# Altium PCB openmv-ae3.PcbDoc (part 6 of 7)
Units mil, origin at the board's own origin, x right, y up, seen from the top; angles counter-clockwise.
Board outline 1001 x 1001 mil, 8 copper layers (TOP, ART2, GND3, ART4, VCC5, GND6, ART7, BOTTOM), stack 65.6 mil thick; 246 components, 168 nets, 1013 pads, 1766 vias.
Unrouted connection lines stored in the file: 233.
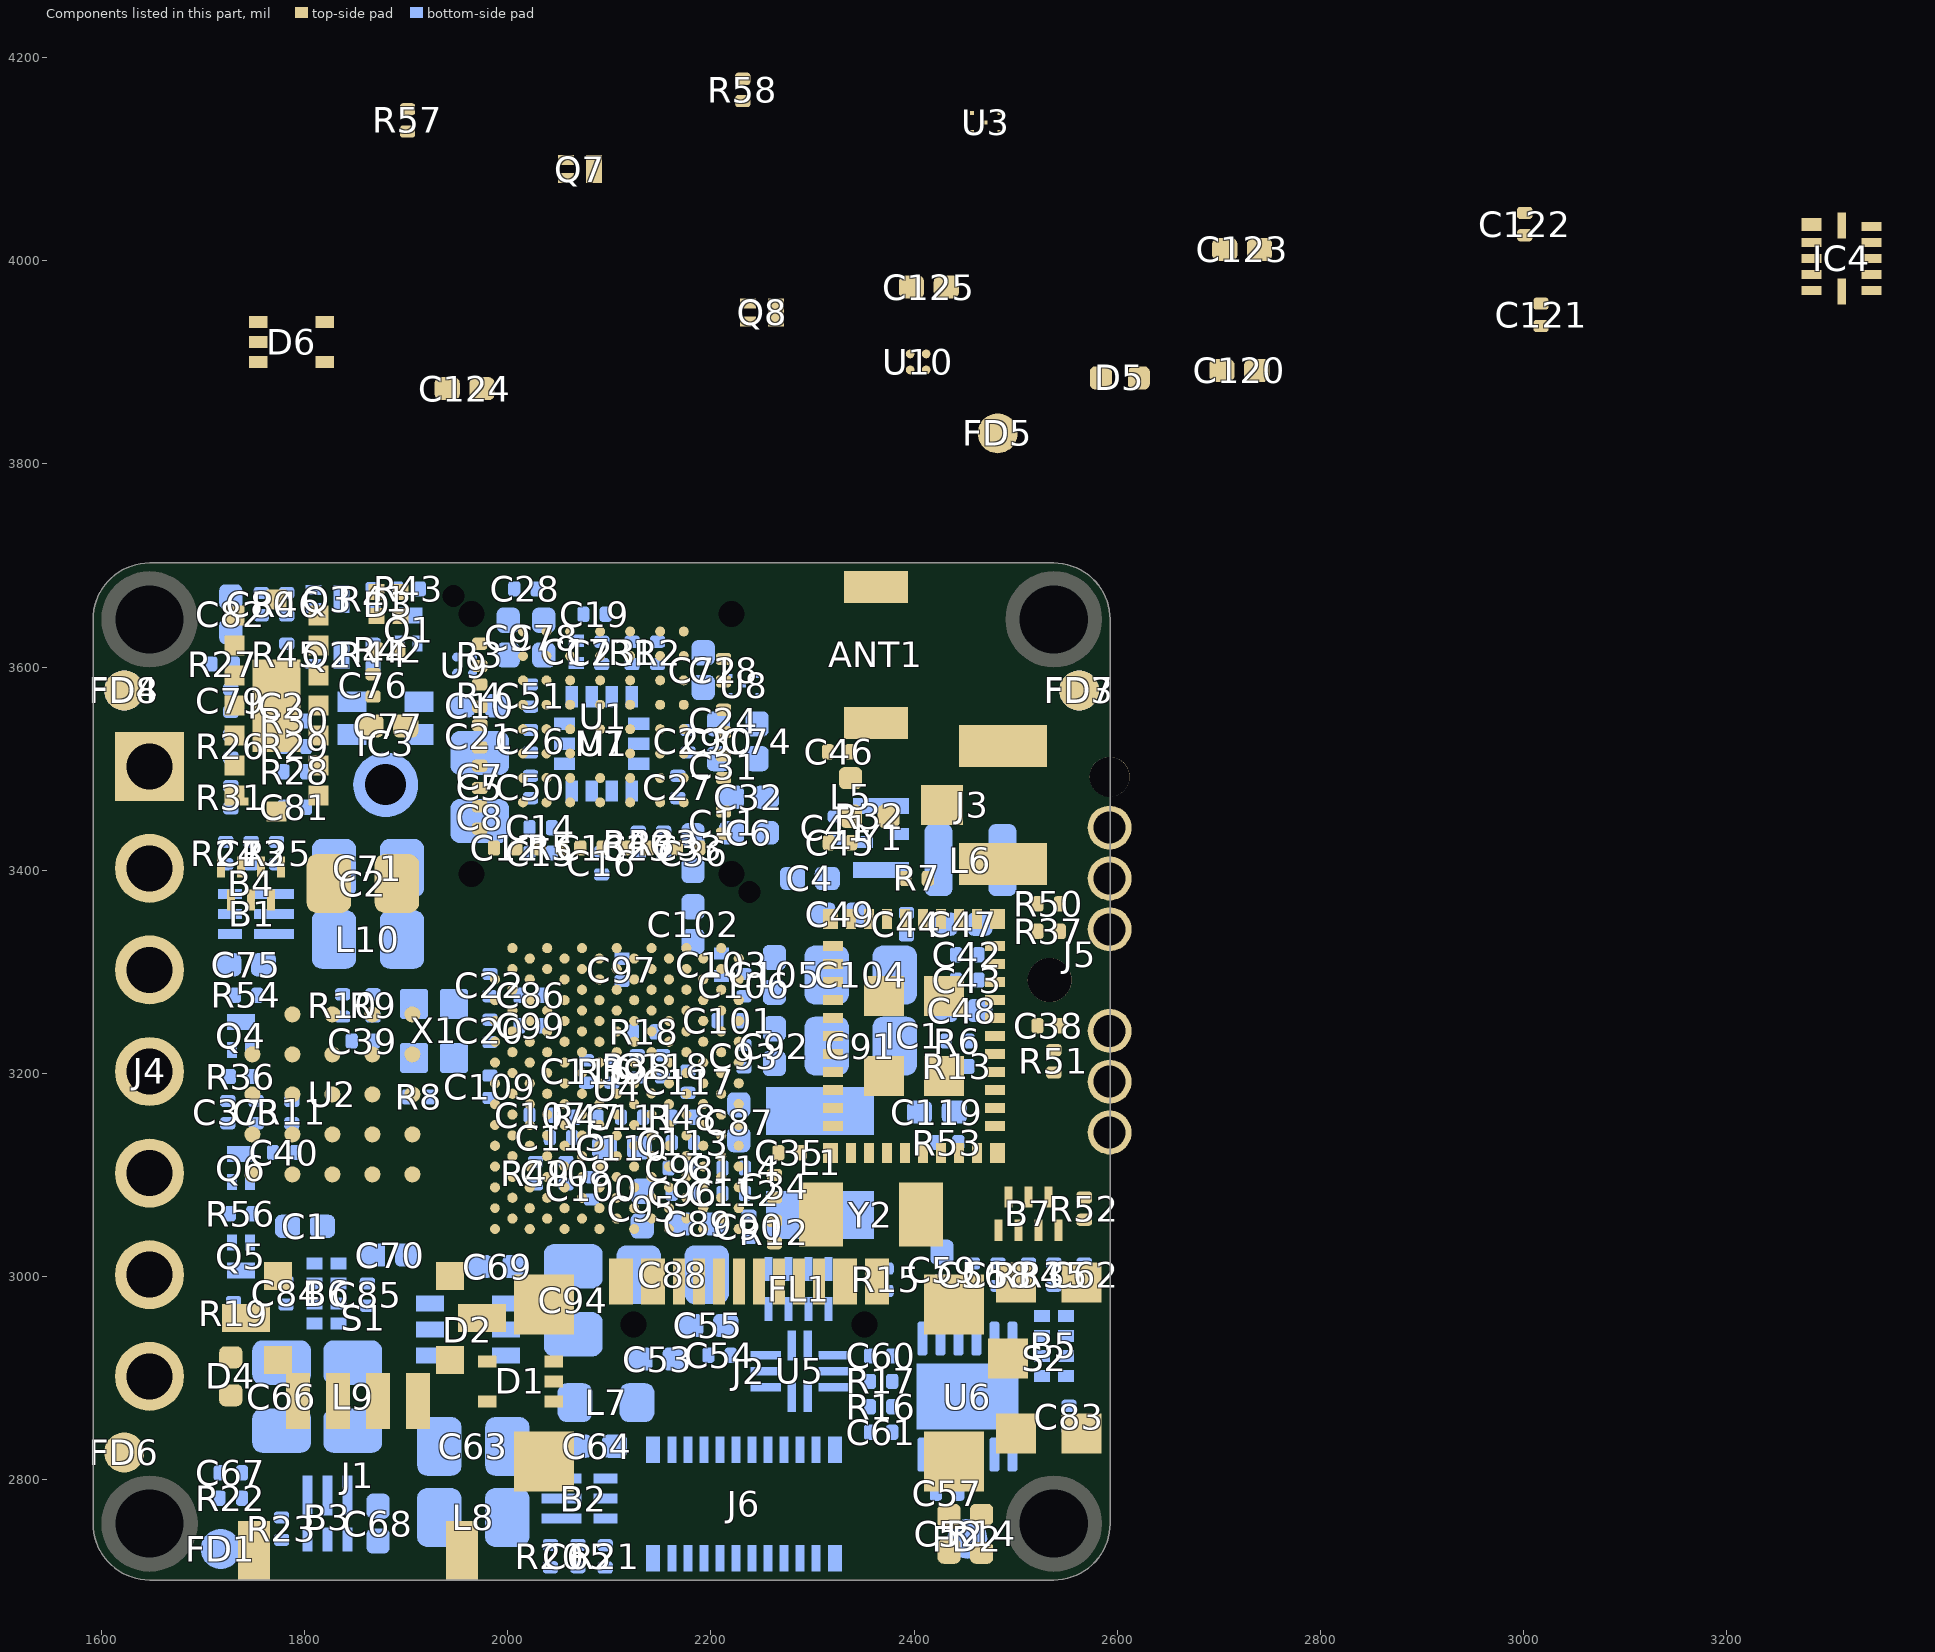
[diagram p12: the components of this part, seen from the top]

## Polygon pours and split planes (outlines as drawn) (continued)
no net on Bottom Overlay (solid): 1985.44,3110.91 1985.44,3111.91 1948.44,3111.91 1948.44,3110.91 1985.44,3110.91
no net on Bottom Overlay (solid): 1987.44,3111.91 1987.44,3112.91 1948.44,3112.91 1948.44,3111.91 1987.44,3111.91
no net on Bottom Overlay (solid): 1987.44,3118.91 1987.44,3119.91 1948.44,3119.91 1948.44,3118.91 1987.44,3118.91
no net on Bottom Overlay (solid): 1988.44,3112.91 1988.44,3113.91 1948.44,3113.91 1948.44,3112.91 1988.44,3112.91
no net on Bottom Overlay (solid): 1990.44,3113.91 1990.44,3114.91 1948.44,3114.91 1948.44,3113.91 1990.44,3113.91
no net on Bottom Overlay (solid): 1990.44,3116.91 1990.44,3117.91 1948.44,3117.91 1948.44,3116.91 1990.44,3116.91
no net on Bottom Overlay (solid): 1991.44,3115.91 1991.44,3116.91 1948.44,3116.91 1948.44,3115.91 1991.44,3115.91
no net on Bottom Overlay (solid): 1992.44,3114.91 1992.44,3115.91 1948.44,3115.91 1948.44,3114.91 1992.44,3114.91
no net on Bottom Overlay (solid): 1988.44,3117.91 1988.44,3118.91 1948.44,3118.91 1948.44,3117.91 1988.44,3117.91
no net on Bottom Overlay (solid): 1985.44,3119.91 1985.44,3120.91 1948.44,3120.91 1948.44,3119.91 1985.44,3119.91
no net on Bottom Overlay (solid): 1978.44,3122.91 1978.44,3123.91 1948.44,3123.91 1948.44,3122.91 1978.44,3122.91
no net on Bottom Overlay (solid): 1983.44,3109.91 1983.44,3110.91 1948.44,3110.91 1948.44,3109.91 1983.44,3109.91
no net on Bottom Overlay (solid): 2006.44,3097.91 2006.44,3098.91 1976.44,3098.91 1976.44,3097.91 2006.44,3097.91
no net on Bottom Overlay (solid): 1975.44,3123.91 1975.44,3124.91 1948.44,3124.91 1948.44,3123.91 1975.44,3123.91
no net on Bottom Overlay (solid): 1983.44,3120.91 1983.44,3121.91 1948.44,3121.91 1948.44,3120.91 1983.44,3120.91
no net on Bottom Overlay (solid): 1971.44,3124.91 1971.44,3125.91 1949.44,3125.91 1949.44,3124.91 1971.44,3124.91
no net on Bottom Overlay (solid): 1941.44,3111.91 1941.44,3112.91 1925.44,3112.91 1925.44,3111.91 1941.44,3111.91
no net on Bottom Overlay (solid): 1941.44,3110.91 1941.44,3111.91 1924.44,3111.91 1924.44,3110.91 1941.44,3110.91
no net on Bottom Overlay (solid): 1941.44,3109.91 1941.44,3110.91 1923.44,3110.91 1923.44,3109.91 1941.44,3109.91
no net on Bottom Overlay (solid): 1941.44,3112.91 1941.44,3113.91 1926.44,3113.91 1926.44,3112.91 1941.44,3112.91
no net on Bottom Overlay (solid): 1941.44,3120.91 1941.44,3121.91 1938.44,3121.91 1938.44,3120.91 1941.44,3120.91
no net on Bottom Overlay (solid): 1941.44,3119.91 1941.44,3120.91 1936.44,3120.91 1936.44,3119.91 1941.44,3119.91
no net on Bottom Overlay (solid): 1941.44,3118.91 1941.44,3119.91 1934.44,3119.91 1934.44,3118.91 1941.44,3118.91
no net on Bottom Overlay (solid): 1941.44,3117.91 1941.44,3118.91 1932.44,3118.91 1932.44,3117.91 1941.44,3117.91
no net on Bottom Overlay (solid): 1941.44,3116.91 1941.44,3117.91 1931.44,3117.91 1931.44,3116.91 1941.44,3116.91
no net on Bottom Overlay (solid): 1941.44,3115.91 1941.44,3116.91 1929.44,3116.91 1929.44,3115.91 1941.44,3115.91
no net on Bottom Overlay (solid): 1941.44,3114.91 1941.44,3115.91 1928.44,3115.91 1928.44,3114.91 1941.44,3114.91
no net on Bottom Overlay (solid): 1941.44,3113.91 1941.44,3114.91 1927.44,3114.91 1927.44,3113.91 1941.44,3113.91
no net on Bottom Overlay (solid): 1941.44,3121.91 1941.44,3122.91 1940.44,3122.91 1940.44,3121.91 1941.44,3121.91
no net on Bottom Overlay (solid): 1981.44,3121.91 1981.44,3122.91 1948.44,3122.91 1948.44,3121.91 1981.44,3121.91
no net on Bottom Overlay (solid): 1998.44,3109.91 1998.44,3110.91 1997.44,3110.91 1997.44,3109.91 1998.44,3109.91
GND on ART2 "ART2-GND 20" (solid, pour order 254): 331 vertices, not listed, extent 1844.96,3432.43 1945.92,3554.77
GND on ART2 "ART2-GND 25" (solid, pour order 264): 142 vertices, not listed, extent 2152.64,2899.43 2227.77,2966.93
GND on ART2 "ART2-GND 24" (solid, pour order 262): 226 vertices, not listed, extent 1911.87,2968.43 1973.01,3042.39
GND on ART2 "ART2-GND 23" (solid, pour order 260): 135 vertices, not listed, extent 2011.02,3054.05 2068.08,3081.61
GND on ART2 "ART2-GND 22" (solid, pour order 258): 169 vertices, not listed, extent 1970.81,3135.43 2027.31,3173.73
GND on ART2 "ART2-GND 21" (solid, pour order 256): 164 vertices, not listed, extent 1951.66,3186.24 1995.43,3214.79
GND on ART2 "ART2-GND 19" (solid, pour order 252): 120 vertices, not listed, extent 2151.58,3447.79 2176.54,3529.93
GND on ART2 "ART2-GND 18" (solid, pour order 250): 117 vertices, not listed, extent 2194.58,3493.03 2222.54,3551.26
GND on ART2 "ART2-GND 16" (solid, pour order 246): 373 vertices, not listed, extent 1998.3,2879.43 2077.92,3002.65
GND on ART2 "ART2-GND 15" (solid, pour order 244): 243 vertices, not listed, extent 2075.31,2964.53 2140.92,3024.97
GND on ART2 "ART2-GND 14" (solid, pour order 242): 161 vertices, not listed, extent 2485.69,2982.96 2510.3,3068.16
GND on ART2 "ART2-GND 13" (solid, pour order 240): 138 vertices, not listed, extent 1858.85,3067.43 1927.01,3103.72
GND on ART2 "ART2-GND 12" (solid, pour order 238): 366 vertices, not listed, extent 1737.96,3186.52 1873.24,3226.35
GND on ART2 "ART2-GND 11" (solid, pour order 236): 1305 vertices, not listed, extent 1899.54,3191.04 2182.3,3303.89
GND on ART2 "ART2-GND 10" (solid, pour order 234): 300 vertices, not listed, extent 2002.96,3268.85 2077.06,3351.96
GND on ART2 "ART2-GND 9" (solid, pour order 232): 674 vertices, not listed, extent 1715.28,3322.43 1905.49,3527.56
GND on ART2 "ART2-GND 8" (solid, pour order 230): 391 vertices, not listed, extent 2155.95,3361.77 2229.1,3484.31
GND on ART2 "ART2-GND 7" (solid, pour order 228): 235 vertices, not listed, extent 2022.96,3382.92 2059.43,3553.89
GND on ART2 "ART2-GND 6" (solid, pour order 226): 293 vertices, not listed, extent 1946.96,3408.23 1983.92,3538.53
GND on ART2 "ART2-GND 5" (solid, pour order 224): 543 vertices, not listed, extent 1701.46,3527.81 1820.7,3624.89
GND on ART2 "ART2-GND 4" (solid, pour order 222): 873 vertices, not listed, extent 2036.82,3539.91 2236.54,3668.39
GND on ART2 "ART2-GND 3" (solid, pour order 220): 256 vertices, not listed, extent 1995.28,3602.37 2029.22,3668.39
GND on ART2 "ART2-GND" (solid, pour order 110): 132 vertices, not listed, extent 1964.02,3564.41 1989.98,3597.98
VCC_1.2V_CAM on ART2 "ART2-VCC_1.2V_CAM" (solid, pour order 106): 168 vertices, not listed, extent 2047.44,3431.91 2087.44,3521.91
VCC_1.8V on ART2 "ART2-VCC_1.8V" (solid, pour order 94): 90 vertices, not listed, extent 1847.44,3351.91 1892.44,3391.91
USB_VBUS on ART2 "ART2-USB_VBUS" (solid, pour order 62): 90 vertices, not listed, extent 2122.44,2856.91 2172.44,2896.91
VSW on ART2 "ART2-VSW" (solid, pour order 6): 152 vertices, not listed, extent 2202.44,3036.91 2272.44,3081.91
no net on Top Overlay (solid): 2073.61,2711.91 2399.44,2711.91 2399.44,2966.91 2073.61,2966.91 2073.61,2711.91
GND on TOP "TOP-GND 2" (solid, pour order 268): 6509 vertices, not listed, extent 1600.44,2709.91 2584.44,3693.91
GND on TOP "TOP-GND 6" (solid, pour order 276): 162 vertices, not listed, extent 2002.44,2879.77 2057.44,2912.06
GND on TOP "TOP-GND 5" (solid, pour order 274): 283 vertices, not listed, extent 2232.44,3024.03 2280.56,3087.89
GND on TOP "TOP-GND 4" (solid, pour order 272): 144 vertices, not listed, extent 2528.96,3216.91 2552.44,3256.91
GND on TOP "TOP-GND 3" (solid, pour order 270): 573 vertices, not listed, extent 2000.31,3349.87 2265.92,3446.91
GND on TOP "TOP-GND 1" (solid, pour order 266): 523 vertices, not listed, extent 2232.44,3103.43 2326.99,3251.83
GND on TOP "TOP-GND" (solid, pour order 120): 2562.91,3175.18 2562.91,3174.39 2563.51,3172.95 2564.62,3171.84 2566.07,3171.24 2566.85,3171.24 2592.44,3171.24 2592.44,3212.58 2566.85,3212.58 2566.07,3212.58 2564.62,3211.98 2563.51,3210.87 2562.91,3209.43 2562.91,3208.64 2562.91,3175.18
VCC_1.8V on TOP "TOP-VCC_1.8V" (solid, pour order 86): 2562.91,3425.18 2562.91,3424.39 2563.51,3422.95 2564.62,3421.84 2566.07,3421.24 2566.85,3421.24 2592.44,3421.24 2592.44,3462.58 2566.85,3462.58 2566.07,3462.58 2564.62,3461.98 2563.51,3460.87 2562.91,3459.43 2562.91,3458.64 2562.91,3425.18
JTAG_TCK on TOP "TOP-JTAG_TCK" (solid, pour order 76): 2562.91,3225.18 2562.91,3224.39 2563.51,3222.95 2564.62,3221.84 2566.07,3221.24 2566.85,3221.24 2592.44,3221.24 2592.44,3262.58 2566.85,3262.58 2566.07,3262.58 2564.62,3261.98 2563.51,3260.87 2562.91,3259.43 2562.91,3258.64 2562.91,3225.18
JTAG_TDO on TOP "TOP-JTAG_TDO" (solid, pour order 72): 2562.91,3125.18 2562.91,3124.39 2563.51,3122.95 2564.62,3121.84 2566.07,3121.24 2566.85,3121.24 2592.44,3121.24 2592.44,3162.58 2566.85,3162.58 2566.07,3162.58 2564.62,3161.98 2563.51,3160.87 2562.91,3159.43 2562.91,3158.64 2562.91,3125.18
JTAG_TMS on TOP "TOP-JTAG_TMS" (solid, pour order 70): 2562.91,3375.18 2562.91,3374.39 2563.51,3372.95 2564.62,3371.84 2566.07,3371.24 2566.85,3371.24 2592.44,3371.24 2592.44,3412.58 2566.85,3412.58 2566.07,3412.58 2564.62,3411.98 2563.51,3410.87 2562.91,3409.43 2562.91,3408.64 2562.91,3375.18
SHIELD on TOP "TOP-SHIELD" (solid, pour order 66): 266 vertices, not listed, extent 2012.44,2756.91 2477.44,3001.91
USB_VBUS on TOP "TOP-USB_VBUS" (solid, pour order 60): 316 vertices, not listed, extent 2117.44,2871.91 2342.44,3006.91
DEBUG_RST_N on TOP "TOP-DEBUG_RST_N" (solid, pour order 14): 2562.91,3325.18 2562.91,3324.39 2563.51,3322.95 2564.62,3321.84 2566.07,3321.24 2566.85,3321.24 2592.44,3321.24 2592.44,3362.58 2566.85,3362.58 2566.07,3362.58 2564.62,3361.98 2563.51,3360.87 2562.91,3359.43 2562.91,3358.64 2562.91,3325.18
VCC_1.8V on ART7 "VCC_1.8V_L07_P278" (solid, remove dead copper, pour order 278): 1875.44,3125.03 1762.44,3125.03 1762.44,3054.34 1875.44,3054.34
VCC_3.3V_INT on ART7 "ART7-VCC_3.3V_INT 1" (solid, pour order 30): 334 vertices, not listed, extent 2417.44,2741.91 2557.44,3001.91
VCC_1.2V_CAM on ART7 "ART7-VCC_1.2V_CAM" (solid, pour order 104): 134 vertices, not listed, extent 2037.44,3421.91 2107.44,3461.91
VCC_1.8V on ART7 "ART7-VCC_1.8V" (solid, pour order 90): 124 vertices, not listed, extent 1972.44,3581.91 2017.44,3621.91
VCC_2.8V_CAM on ART7 "ART7-VCC_2.8V_CAM" (solid, pour order 82): 90 vertices, not listed, extent 2027.44,3646.91 2057.44,3676.91
USB_VBUS on ART7 "ART7-USB_VBUS" (solid, pour order 58): 90 vertices, not listed, extent 2107.44,2856.91 2172.44,2886.91
VCC_3.3V on ART7 "ART7-VCC_3.3V 4" (solid, pour order 44): 178 vertices, not listed, extent 2212.44,3161.91 2275.35,3216.91
VCC_3.3V on ART7 "ART7-VCC_3.3V 3" (solid, pour order 42): 90 vertices, not listed, extent 2127.44,3071.91 2167.44,3096.91
VCC_3.3V on ART7 "ART7-VCC_3.3V 2" (solid, pour order 40): 121 vertices, not listed, extent 2177.44,3006.91 2237.44,3051.91
VCC_3.3V on ART7 "ART7-VCC_3.3V 1" (solid, pour order 38): 90 vertices, not listed, extent 2017.44,3321.91 2082.44,3351.91
VDD_CORE on ART7 "ART7-VDD_CORE" (solid, pour order 8): 137 vertices, not listed, extent 2022.44,3236.91 2052.44,3296.91
VSW on ART7 "ART7-VSW" (solid, pour order 4): 90 vertices, not listed, extent 2242.44,3036.91 2292.44,3071.91
GND on VCC5 "VCC5-GND" (solid, pour order 134): 659 vertices, not listed, extent 1600.44,2709.91 2584.44,3693.91
VCC_3.3V on VCC5 "VCC5-VCC_3.3V" (solid, pour order 52): 1210 vertices, not listed, extent 1842.44,2766.91 2522.44,3351.91
VCC_1.8V on VCC5 "VCC5-VCC_1.8V" (solid, pour order 100): 1505 vertices, not listed, extent 1737.44,3051.91 2547.44,3621.91
GND on VCC5 "VCC5-GND 1" (solid, pour order 172): 60 vertices, not listed, extent 2219.08,3232.93 2275.8,3255.89
GND on ART4 "ART4-GND 8" (solid, pour order 190): 4138 vertices, not listed, extent 1600.44,2709.91 2584.44,3693.91
GND on ART4 "ART4-GND 1" (solid, pour order 176): 532 vertices, not listed, extent 1710.58,3265.12 1931.92,3568.09
GND on ART4 "ART4-GND 21" (solid, pour order 216): 94 vertices, not listed, extent 2422.94,2843.68 2448.54,2893.3
GND on ART4 "ART4-GND 20" (solid, pour order 214): 60 vertices, not listed, extent 2338.03,2833.05 2383.6,2878.56
GND on ART4 "ART4-GND 19" (solid, pour order 212): 91 vertices, not listed, extent 1927.67,2887.28 1966.92,2944.03
GND on ART4 "ART4-GND 18" (solid, pour order 210): 183 vertices, not listed, extent 2067.97,2897.99 2189.32,2996.39
GND on ART4 "ART4-GND 17" (solid, pour order 208): 145 vertices, not listed, extent 1813.83,2955.05 1919.38,2988.98
GND on ART4 "ART4-GND 16" (solid, pour order 206): 60 vertices, not listed, extent 1909.87,2969.05 1960.38,2994.39
GND on ART4 "ART4-GND 15" (solid, pour order 204): 106 vertices, not listed, extent 1832.96,3195.28 1880.18,3264.43
GND on ART4 "ART4-GND 14" (solid, pour order 202): 87 vertices, not listed, extent 2317.7,3271.81 2369.92,3289.79
GND on ART4 "ART4-GND 13" (solid, pour order 200): 104 vertices, not listed, extent 2091.2,3300.59 2148.28,3327.77
GND on ART4 "ART4-GND 12" (solid, pour order 198): 100 vertices, not listed, extent 2286.36,3328.81 2369.39,3379.39
GND on ART4 "ART4-GND 11" (solid, pour order 196): 74 vertices, not listed, extent 2037.95,3393.69 2126.64,3416.77
GND on ART4 "ART4-GND 10" (solid, pour order 194): 338 vertices, not listed, extent 1912.56,3430.51 2049.64,3599.92
GND on ART4 "ART4-GND 9" (solid, pour order 192): 113 vertices, not listed, extent 2083.46,3588.62 2145.53,3656.81
GND on ART4 "ART4-GND 7" (solid, pour order 188): 2452 vertices, not listed, extent 2187.96,2812.44 2547.25,3277.77
GND on ART4 "ART4-GND 6" (solid, pour order 186): 259 vertices, not listed, extent 1968.24,2861.66 2097.54,2951.03
GND on ART4 "ART4-GND 5" (solid, pour order 184): 232 vertices, not listed, extent 1707.96,2952.28 1828.18,3241.48
GND on ART4 "ART4-GND 4" (solid, pour order 182): 1922 vertices, not listed, extent 1866.86,2992.43 2223.48,3272.89
GND on ART4 "ART4-GND 3" (solid, pour order 180): 82 vertices, not listed, extent 2051.37,3192.88 2113.06,3255.89
GND on ART4 "ART4-GND 2" (solid, pour order 178): 612 vertices, not listed, extent 1884.11,3200.57 2080.18,3356.65
GND on ART4 "ART4-GND" (solid, pour order 174): 202 vertices, not listed, extent 1901.95,3367.69 2012.87,3444.25
VCC_1.2V_CAM on ART4 "ART4-VCC_1.2V_CAM" (solid, pour order 102): 233 vertices, not listed, extent 2037.44,3427.81 2122.44,3651.91
GND on GND6 "GND6-GND" (solid, pour order 128): 693 vertices, not listed, extent 1600.44,2709.91 2584.44,3693.91
GND on GND3 "GND3-GND" (solid, pour order 130): 693 vertices, not listed, extent 1600.44,2709.91 2584.44,3693.91

## Keep-outs
TOP:
  region: 2562.44,3266.91 2592.44,3266.91 2592.44,3316.91 2562.44,3316.91 2562.44,3266.91
  region: 2576.12,3092.41 2588.44,3092.41 2588.44,3107.41 2576.12,3107.41 2576.12,3092.41
  region: 2554.48,3466.74 2566.81,3466.74 2566.81,3481.74 2554.48,3481.74 2554.48,3466.74
  region: 2452.44,3496.91 2452.44,3426.91 2537.44,3426.91 2537.44,3496.91 2452.44,3496.91
  region: 2457.44,3426.91 2447.44,3426.91 2442.44,3431.91 2357.44,3431.91 2351.26,3425.73 2351.26,3336.26 2345.87,3330.87 2329.96,3330.87 2325.13,3335.7 2325.13,3362.06 2322.26,3364.93 2322.26,3432.15 2318.55,3435.86 2318.55,3504.79 2321.05,3507.29 2321.05,3524.54 2317.24,3528.35 2317.24,3529.53 2341.1,3553.39 2432.69,3553.39 2442.41,3543.67 2442.41,3521.88 2437.47,3516.94 2362.72,3516.94 2359.59,3513.81 2359.59,3480.41 2362.81,3477.19 2371.5,3477.19 2382.96,3488.65 2461.29,3488.65 2465.72,3484.22 2465.72,3435.19 2457.44,3426.91
ART2:
  region: 2457.44,3426.91 2447.44,3426.91 2442.44,3431.91 2357.44,3431.91 2351.26,3425.73 2351.26,3336.26 2345.87,3330.87 2329.96,3330.87 2325.13,3335.7 2325.13,3362.06 2322.26,3364.93 2322.26,3432.15 2318.55,3435.86 2318.55,3504.79 2321.05,3507.29 2321.05,3524.54 2317.24,3528.35 2317.24,3529.53 2341.1,3553.39 2432.69,3553.39 2442.41,3543.67 2442.41,3521.88 2437.47,3516.94 2362.72,3516.94 2359.59,3513.81 2359.59,3480.41 2362.81,3477.19 2371.5,3477.19 2382.96,3488.65 2461.29,3488.65 2465.72,3484.22 2465.72,3435.19 2457.44,3426.91
BOTTOM:
  region: 2562.44,3266.91 2592.44,3266.91 2592.44,3316.91 2562.44,3316.91 2562.44,3266.91
  region: 2562.44,3092.41 2588.44,3092.41 2588.44,3107.41 2562.44,3107.41 2562.44,3092.41
  region: 2554.53,3466.91 2566.85,3466.91 2566.85,3481.91 2554.53,3481.91 2554.53,3466.91
Keep-Out Layer:
  lines w1: 1592.44,2756.91 ccw(c1647.44,2756.91) 1647.44,2701.91 2537.44,2701.91 ccw(c2537.44,2756.91) 2592.44,2756.91 2592.44,3646.91 ccw(c2537.44,3646.91) 2537.44,3701.91 1647.44,3701.91 ccw(c1647.44,3646.91) 1592.44,3646.91 1592.44,2756.91

## Other copper
TOP:
  pour cut-out: 1841.6,3258.15 1840.52,3263.57 1837.45,3268.16 1832.86,3271.23 1827.44,3272.31 1822.02,3271.23 1817.43,3268.16 1814.36,3263.57 1813.28,3258.15 1814.36,3252.73 1817.43,3248.14 1822.02,3245.07 1827.44,3243.99 1832.86,3245.07 1837.45,3248.14 1840.52,3252.73 1841.6,3258.15
  pour cut-out: 1880.97,3258.15 1879.89,3263.57 1876.82,3268.16 1872.23,3271.23 1866.81,3272.31 1861.39,3271.23 1856.8,3268.16 1853.73,3263.57 1852.65,3258.15 1853.73,3252.73 1856.8,3248.14 1861.39,3245.07 1866.81,3243.99 1872.23,3245.07 1876.82,3248.14 1879.89,3252.73 1880.97,3258.15
  pour cut-out: 1880.97,3218.78 1879.89,3224.2 1876.82,3228.79 1872.23,3231.86 1866.81,3232.94 1861.39,3231.86 1856.8,3228.79 1853.73,3224.2 1852.65,3218.78 1853.73,3213.36 1856.8,3208.77 1861.39,3205.7 1866.81,3204.62 1872.23,3205.7 1876.82,3208.77 1879.89,3213.36 1880.97,3218.78
  pour cut-out: 1802.23,3258.15 1801.15,3263.57 1798.08,3268.16 1793.49,3271.23 1788.07,3272.31 1782.65,3271.23 1778.06,3268.16 1774.99,3263.57 1773.91,3258.15 1774.99,3252.73 1778.06,3248.14 1782.65,3245.07 1788.07,3243.99 1793.49,3245.07 1798.08,3248.14 1801.15,3252.73 1802.23,3258.15
  pour cut-out: 1762.86,3218.78 1761.78,3224.2 1758.71,3228.79 1754.12,3231.86 1748.7,3232.94 1743.28,3231.86 1738.69,3228.79 1735.62,3224.2 1734.54,3218.78 1735.62,3213.36 1738.69,3208.77 1743.28,3205.7 1748.7,3204.62 1754.12,3205.7 1758.71,3208.77 1761.78,3213.36 1762.86,3218.78
  pour cut-out: 1802.23,3218.78 1801.15,3224.2 1798.08,3228.79 1793.49,3231.86 1788.07,3232.94 1782.65,3231.86 1778.06,3228.79 1774.99,3224.2 1773.91,3218.78 1774.99,3213.36 1778.06,3208.77 1782.65,3205.7 1788.07,3204.62 1793.49,3205.7 1798.08,3208.77 1801.15,3213.36 1802.23,3218.78
  pour cut-out: 1802.23,3179.41 1801.15,3184.83 1798.08,3189.42 1793.49,3192.49 1788.07,3193.57 1782.65,3192.49 1778.06,3189.42 1774.99,3184.83 1773.91,3179.41 1774.99,3173.99 1778.06,3169.4 1782.65,3166.33 1788.07,3165.25 1793.49,3166.33 1798.08,3169.4 1801.15,3173.99 1802.23,3179.41
  pour cut-out: 1762.86,3140.04 1761.78,3145.46 1758.71,3150.05 1754.12,3153.12 1748.7,3154.2 1743.28,3153.12 1738.69,3150.05 1735.62,3145.46 1734.54,3140.04 1735.62,3134.62 1738.69,3130.03 1743.28,3126.96 1748.7,3125.88 1754.12,3126.96 1758.71,3130.03 1761.78,3134.62 1762.86,3140.04
  pour cut-out: 1802.23,3140.04 1801.15,3145.46 1798.08,3150.05 1793.49,3153.12 1788.07,3154.2 1782.65,3153.12 1778.06,3150.05 1774.99,3145.46 1773.91,3140.04 1774.99,3134.62 1778.06,3130.03 1782.65,3126.96 1788.07,3125.88 1793.49,3126.96 1798.08,3130.03 1801.15,3134.62 1802.23,3140.04
  pour cut-out: 1762.86,3100.67 1761.78,3106.09 1758.71,3110.68 1754.12,3113.75 1748.7,3114.83 1743.28,3113.75 1738.69,3110.68 1735.62,3106.09 1734.54,3100.67 1735.62,3095.25 1738.69,3090.66 1743.28,3087.59 1748.7,3086.51 1754.12,3087.59 1758.71,3090.66 1761.78,3095.25 1762.86,3100.67
  pour cut-out: 1802.23,3100.67 1801.15,3106.09 1798.08,3110.68 1793.49,3113.75 1788.07,3114.83 1782.65,3113.75 1778.06,3110.68 1774.99,3106.09 1773.91,3100.67 1774.99,3095.25 1778.06,3090.66 1782.65,3087.59 1788.07,3086.51 1793.49,3087.59 1798.08,3090.66 1801.15,3095.25 1802.23,3100.67
ART2:
  region: 2452.44,3426.91 2537.44,3426.91 2537.44,3496.91 2452.44,3496.91
  pour cut-out: 1734.56,3076.91 1733.64,3081.55 1731.01,3085.48 1727.08,3088.11 1722.44,3089.03 1717.8,3088.11 1713.87,3085.48 1711.24,3081.55 1710.32,3076.91 1711.24,3072.27 1713.87,3068.34 1717.8,3065.71 1722.44,3064.79 1727.08,3065.71 1731.01,3068.34 1733.64,3072.27 1734.56,3076.91
  pour cut-out: 2549.56,3201.91 2548.64,3206.55 2546.01,3210.48 2542.08,3213.11 2537.44,3214.03 2532.8,3213.11 2528.87,3210.48 2526.24,3206.55 2525.32,3201.91 2526.24,3197.27 2528.87,3193.34 2532.8,3190.71 2537.44,3189.79 2542.08,3190.71 2546.01,3193.34 2548.64,3197.27 2549.56,3201.91
  pour cut-out: 2462.56,3046.91 2461.64,3051.55 2459.01,3055.48 2455.08,3058.11 2450.44,3059.03 2445.8,3058.11 2441.87,3055.48 2439.24,3051.55 2438.32,3046.91 2439.24,3042.27 2441.87,3038.34 2445.8,3035.71 2450.44,3034.79 2455.08,3035.71 2459.01,3038.34 2461.64,3042.27 2462.56,3046.91
  pour cut-out: 1944.56,3606.91 1943.64,3611.55 1941.01,3615.48 1937.08,3618.11 1932.44,3619.03 1927.8,3618.11 1923.87,3615.48 1921.24,3611.55 1920.32,3606.91 1921.24,3602.27 1923.87,3598.34 1927.8,3595.71 1932.44,3594.79 1937.08,3595.71 1941.01,3598.34 1943.64,3602.27 1944.56,3606.91